# KiCad board panel.kicad_pcb (continued)
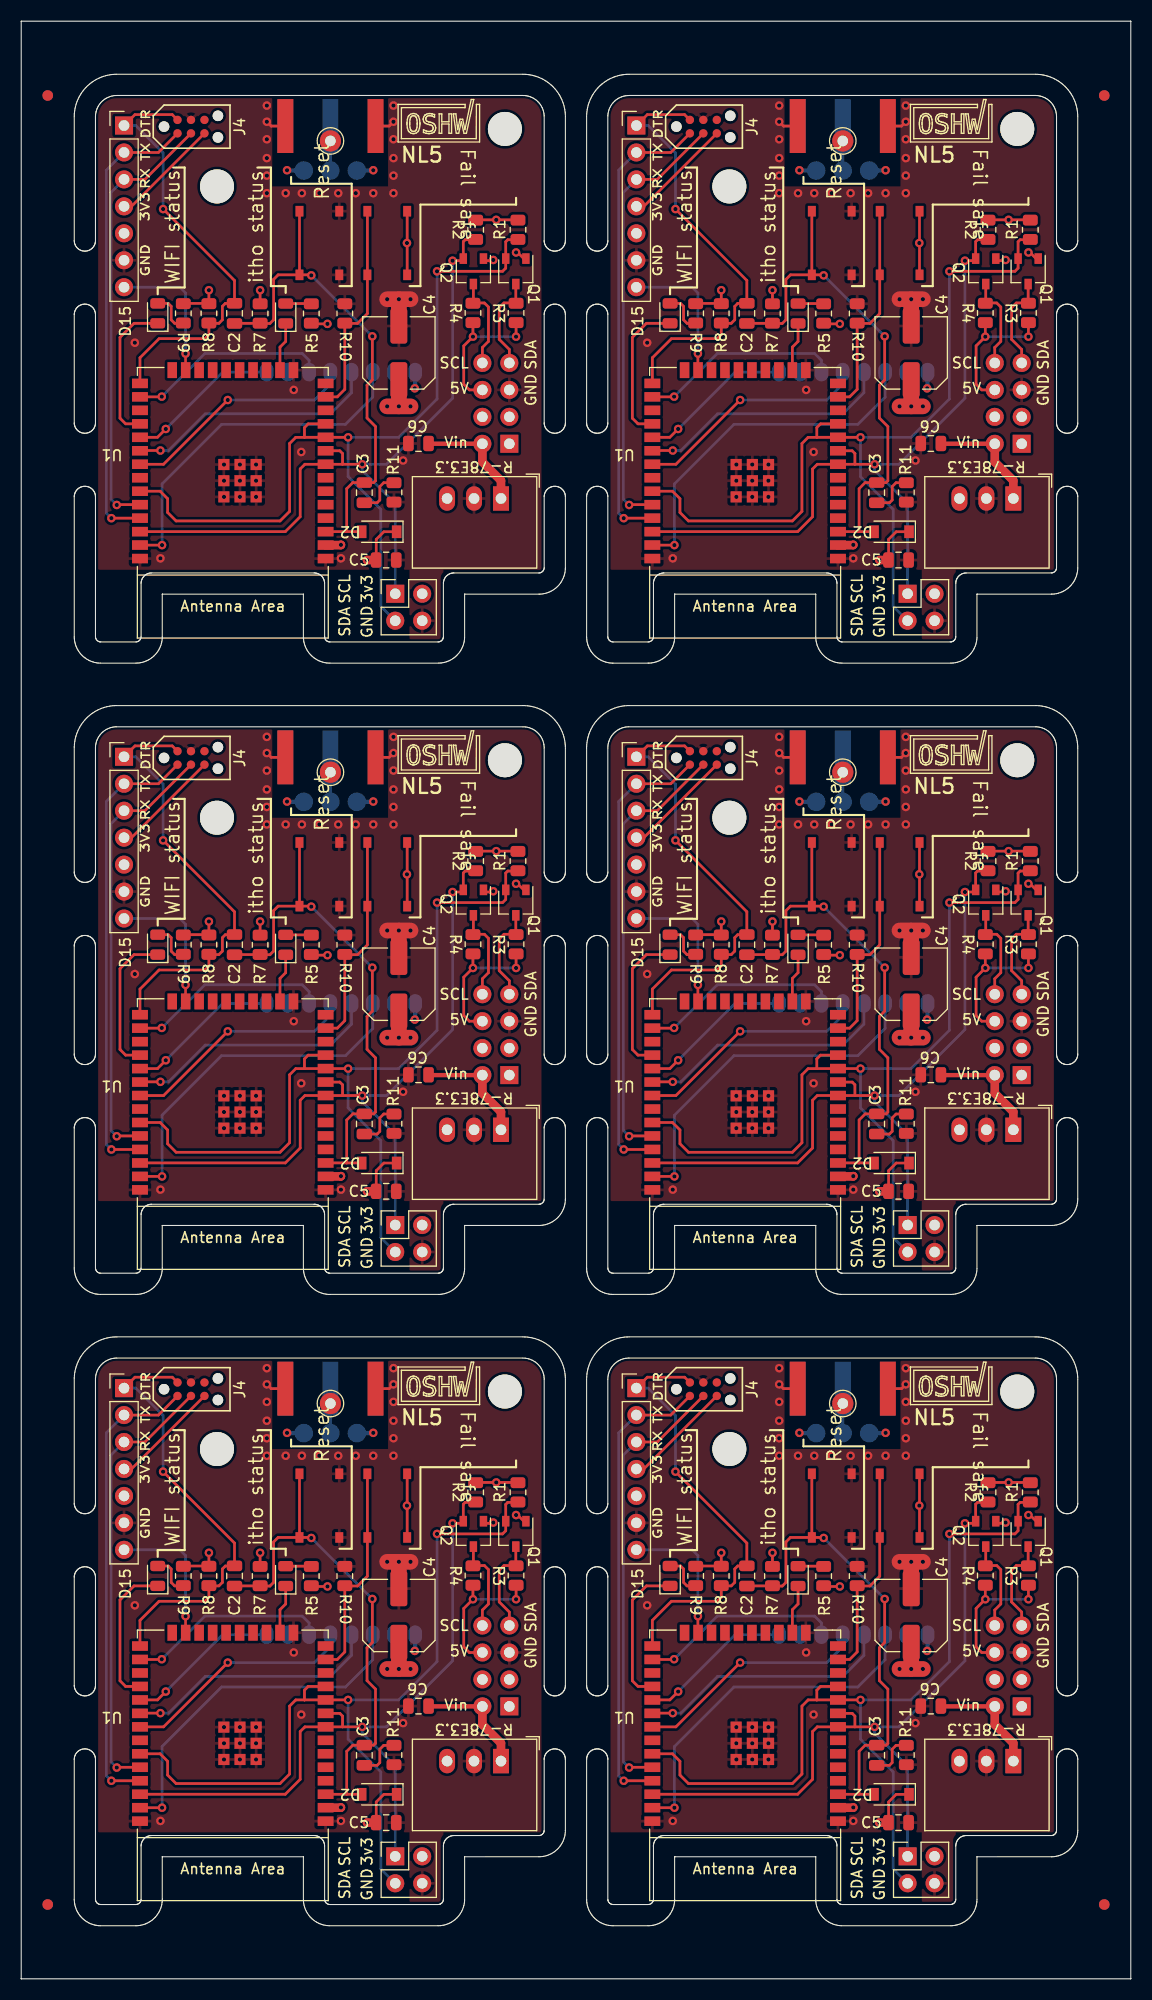
[diagram p0: board, top side]
## Routing (per net, layer and track width the routed paths; a pad name or vN(x,y) marks a point on that pad's centre or on a via; arc(x,y) is an arc through that point) (continued)
Board_4-+5V: length 13.5
  Top w0.254: 46.65,37.07 v1(46.65,35.77) ; 42.59,37.07 v1(42.59,35.77) 41.72,34.9 41.72,31.28 42.25,30.75 J2#5.6
  Bottom w0.254: v1(46.65,35.77) v1(42.59,35.77)
Board_4-+15V: length 11
  Top w0.406: C6#2.1 38.43,25.67 J2#5.2
  Top w0.813: J2#5.2 43.48,23.96 45.23,22.21 R-78E3.3#6.1
Board_4-D0: length 42.2
  Top w0.25: J1#3.1 10.72,56.7 14.24,56.7 J4#4.2
  Top w0.254: U1#4.25 11.2,33.78 13,35.58 17.31,35.58 17.69,35.96 17.69,37.03 18.64,37.03 18.96,37.36 18.96,38.63 19.24,38.9 20.11,38.9 20.11,41.07 v1(13.38,47.8)
  Bottom w0.254: v1(13.38,47.8) 13.38,53.09 10.8,55.67 J1#3.1
Board_4-D0/RX0: length 41.6
  Top w0.25: 15.93,54.86 11.66,50.59 J1#3.3
  Top w0.254: U1#4.34 9.03,19.93
  Bottom w0.25: J1#3.3 8.47,49.36 8.47,20.45 v1(9.01,19.91)
Board_4-D1/TX0: length 43.8
  Top w0.25: J1#3.2 12.93,53.13 J4#4.1
  Top w0.254: v1(8.5,18.66) 11.19,18.66 U1#4.35
  Bottom w0.25: J1#3.2 8.02,51.45 8.02,19.15 v1(8.5,18.66)
Board_4-D4_IRQ: length 19
  Top w0.254: v1(13.25,30.12) 13.23,30.09 U1#4.26
  Bottom w0.254: U2#2.6 27.14,33.54 26.49,34.18 17.31,34.18 v1(13.25,30.12)
Board_4-D5_SS: length 14.5
  Top w0.254: U1#4.29 12.84,26.28 v1(13.63,27.07)
  Bottom w0.254: U2#2.8 18.99,32.43 v1(13.63,27.07)
Board_4-D13: length 4.6
  Top w0.254: U1#4.16 24.4,34.79 24.93,35.32 LED2#6.1
Board_4-D15: length 13.3
  Top w0.25: U1#4.23 15.49,32.63 v1(15.49,34.17)
  Bottom w0.25: v1(15.49,34.17) 15.49,39.89 14.95,40.43 J1#3.7
Board_4-D17: length 13.8
  Top w0.254: U1#4.28 9.84,27.55 9.31,28.09 9.31,35.71 10.64,37.03 LED1#3.1
Board_4-D18_SCK: length 24.2
  Top w0.254: v1(13.12,25.04) 11.22,25.04 U1#4.30
  Bottom w0.254: U2#2.4 31.14,30.48 29.16,28.5 17.35,28.5 13.88,25.04 v1(13.12,25.04)
Board_4-D19_MISO: length 22
  Top w0.254: v1(19.47,29.8) 13.41,23.74 11.45,23.74
  Bottom w0.254: U2#2.5 29.14,31.3 27.64,29.8 v1(19.47,29.8)
Board_4-D23_MOSI: length 33.5
  Top w0.254: v1(13.28,16.12) 11.2,16.12 U1#4.37
  Bottom w0.254: U2#2.3 33.14,30.07 30.57,27.5 18.89,27.5 13.28,21.89 v1(13.28,16.12)
Board_4-GND: length 15.4
  Top w0.25: v1(23.16,56.03) 23.56,55.62 J3#5.2 ; v1(35.09,56.03) 34.69,55.62 J3#5.2
  Top w1.473: v1(36.7,39.3) v1(34.5,39.3) ; C4#2.2 v1(35.6,39.3)
  Bottom w0.25: J3#5.2 34.69,55.62 v1(35.09,56.03) ; J3#5.2 23.56,55.62 v1(23.16,56.03)
  Bottom w0.406: v1(25.06,51.45) 25.09,51.43 U2#2.9 ; U2#2.11 33.16,51.43 v1(33.19,51.45)
  vias: v1(10.71,35.2) v1(13.12,14.88) v1(19.12,23.72) v1(19.12,22.19) v1(19.12,20.67) v1(20.62,23.72) v1(20.62,22.19) v1(20.62,20.67) v1(22.14,23.72) v1(22.14,22.19) v1(22.14,20.67) v1(23.16,57.55) v1(23.16,54.38) v1(23.16,52.6) v1(23.16,50.95) v1(23.16,49.29) v1(24.93,49.29) v1(25.7,30.75) v1(26.4,24.9) v1(26.46,49.29) v1(28.11,49.29) v1(29.89,49.29) v1(30.14,14.88) v1(31.54,49.29) v1(33.19,49.29) v1(35.09,57.55) v1(35.09,54.38) v1(35.09,52.6) v1(35.09,50.95) v1(35.09,49.29) v1(36,24.1)
Board_4-Net-(C2-Pad1): length 50.2
  Top w0.25: 30.69,17.39 30.69,21.44 31.26,22.02 C3#4.2 33.23,22.02 33.4,22.19 33.4,27.3 ; 30.69,17.39 32.08,17.39 D2#4.2 ; 30.69,17.39 28.7,17.39 U1#4.3
  Top w0.254: 20.11,37.03 22.51,37.03 22.52,37.01 23.45,37.01 23.79,37.36 23.79,41.17 24.22,41.6 SW2#4.2 ; 33.4,27.3 32.6,28.1 32.6,31.2 33.1,31.7 v1(33.1,35.8) ; SW2#4.2 SW2#4.2 ; SW2#4.2 27.3,41.6 v1(27.35,41.55)
  Bottom w0.254: v1(33.1,35.8) 27.35,41.55 v1(27.35,41.55)
Board_4-Net-(C3-Pad1): length 4.3
  Top w0.25: R11#3.2 34.17,22 33.81,21.64 33.81,20.37 33.55,20.12 32.35,20.12
Board_4-Net-(H1-Pad1): length 4.2
  Bottom w0.293: J3#5.1 29.14,55.61 U2#2.10
Board_4-Net-(LED1-Pad2): length 3.9
  Top w0.254: LED1#3.2 13.86,38.9 14.14,38.63 14.14,37.36 14.47,37.03 15.28,37.03
Board_4-Net-(LED2-Pad2): length 2.4
  Top w0.254: LED2#6.2 27.35,38.89
Board_4-Net-(R10-Pad2): length 20.5
  Top w0.254: SW1#6.1 SW1#6.1 32.63,37.95 31.71,37.02 30.5,37.02 30.5,30.8 29.79,30.09 U1#4.13
Board_4-SCL: length 9.1
  Top w0.254: 42.63,40.93 42.63,38.99 42.59,38.94 43.67,38.94 44.05,38.56 44.05,35.32 43.48,34.75 J2#5.8
Board_4-SCL_L: length 70.3
  Top w0.254: 30.29,23.74 28.7,23.74 U1#4.8 26.74,23.74 26.3,23.3 26.3,18.8 24.89,17.39 11.45,17.39 ; 30.29,23.74 30.29,24.76 30.04,25.01 U1#4.9 ; 30.29,23.74 v1(32.14,23.74) ; v1(40.66,42.93) 41.68,42.93 41.68,44.73 41.85,44.91 42.84,44.91
  Bottom w0.254: v1(40.66,42.93) 40.66,29.97 34.44,23.74 v1(32.14,23.74) 32.14,23.16 35.26,20.04 J5#4.1
Board_4-SDA: length 9.4
  Top w0.254: 46.62,40.93 46.62,38.97 46.65,38.94 45.51,38.94 45.06,38.5 45.06,35.52 46.02,34.56 J2#5.7
Board_4-SDA_L: length 83
  Top w0.254: U1#4.11 27.05,27.55 26.7,27.2 26.7,26.28 ; 46.83,44.91 45.87,44.91 45.67,44.71 45.67,42.22 45.38,41.93 v1(39.2,41.93) ; U1#4.33 13.1,21.2 13.8,20.5 13.8,19.2 14.6,18.4 24.4,18.4 25.3,19.3 25.3,25.7 25.88,26.28 26.7,26.28 ; 26.7,26.28 26.7,26.28 30.82,26.28 v1(30.82,26.28)
  Bottom w0.254: v1(39.2,41.93) 39.2,29.9 35.58,26.28 v1(30.82,26.28) 30.82,22.58 33.9,19.5 33.9,10.36 J5#4.3
Board_5-+3V3: length 41.8
  Top w0.25: J4#3.5 58.69,48.05 J1.4 ; 81.77,14.72 81.77,16.66 82.49,17.38 D2#2.1
  Top w0.254: v1(94.95,43.71) 95.1,43.71 95.87,42.93 ; v1(65.99,40.15) 65.99,38.9 63.58,38.9 ; 91.14,46.78 v1(93.08,46.78) 95.13,46.78 ; v1(77.17,36.98) 75.69,36.98 75.65,37.01 ; v1(92.8,43) 92.73,42.93 91.88,42.93 ; 70.82,38.89 v1(70.82,40.15) ; SW1.2 SW1.2
  Top w0.813: 81.77,14.72 80.9,14.72 ; v1(78.44,16.15) 78.42,16.12 U1#3.2
  Top w1.473: v1(85,29.2) v1(82.8,29.2) ; C4#6.1 v1(83.9,29.2)
  Bottom w0.406: v1(85.4,30.9) 85.44,30.94 U2#4.1
  vias: v1(80.9,14.72) v1(84.66,44.6)
Board_5-+5V: length 13.5
  Top w0.254: 94.95,37.07 v1(94.95,35.77) ; 90.89,37.07 v1(90.89,35.77) 90.02,34.9 90.02,31.28 90.55,30.75 91.78,30.75
  Bottom w0.254: v1(94.95,35.77) v1(90.89,35.77)
Board_5-+15V: length 11
  Top w0.406: C6#5.1 86.73,25.67 91.78,25.67
  Top w0.813: 91.78,25.67 91.78,23.96 93.53,22.21 R-78E3.3#4.1
Board_5-D0: length 42.2
  Top w0.25: J1.1 59.02,56.7 62.54,56.7 J4#3.2
  Top w0.254: U1#3.25 59.5,33.78 61.3,35.58 65.61,35.58 65.99,35.96 65.99,37.03 66.94,37.03 67.26,37.36 67.26,38.63 67.54,38.9 68.41,38.9 68.41,41.07 v1(61.68,47.8)
  Bottom w0.254: v1(61.68,47.8) 61.68,53.09 59.1,55.67 J1.1
Board_5-D0/RX0: length 41.6
  Top w0.25: 64.23,54.86 59.96,50.59 J1.3
  Top w0.254: U1#3.34 57.33,19.93
  Bottom w0.25: J1.3 56.77,49.36 56.77,20.45 v1(57.31,19.91)
Board_5-D1/TX0: length 43.8
  Top w0.25: J1.2 61.23,53.13 J4#3.1
  Top w0.254: v1(56.8,18.66) 59.49,18.66 U1#3.35
  Bottom w0.25: J1.2 56.32,51.45 56.32,19.15 v1(56.8,18.66)
Board_5-D4_IRQ: length 19
  Top w0.254: v1(61.55,30.12) 61.53,30.09 U1#3.26
  Bottom w0.254: U2#4.6 75.44,33.54 74.79,34.18 65.61,34.18 v1(61.55,30.12)
Board_5-D5_SS: length 14.5
  Top w0.254: U1#3.29 61.14,26.28 v1(61.93,27.07)
  Bottom w0.254: U2#4.8 67.29,32.43 v1(61.93,27.07)
Board_5-D13: length 4.6
  Top w0.254: U1#3.16 72.7,34.79 73.23,35.32 LED2.1
Board_5-D15: length 13.3
  Top w0.25: U1#3.23 63.79,32.63 v1(63.79,34.17)
  Bottom w0.25: v1(63.79,34.17) 63.79,39.89 63.25,40.43 J1.7
Board_5-D17: length 13.8
  Top w0.254: U1#3.28 58.14,27.55 57.61,28.09 57.61,35.71 58.94,37.03 LED1#4.1
Board_5-D18_SCK: length 24.2
  Top w0.254: v1(61.42,25.04) 59.52,25.04 U1#3.30
  Bottom w0.254: U2#4.4 79.44,30.48 77.46,28.5 65.65,28.5 62.18,25.04 v1(61.42,25.04)
Board_5-D19_MISO: length 22
  Top w0.254: v1(67.77,29.8) 61.71,23.74 59.75,23.74
  Bottom w0.254: U2#4.5 77.44,31.3 75.94,29.8 v1(67.77,29.8)
Board_5-D23_MOSI: length 33.5
  Top w0.254: v1(61.58,16.12) 59.5,16.12 U1#3.37
  Bottom w0.254: U2#4.3 81.44,30.07 78.87,27.5 67.19,27.5 61.58,21.89 v1(61.58,16.12)
Board_5-GND: length 15.4
  Top w0.25: v1(71.45,56.03) 71.86,55.62 J3#3.2 ; v1(83.39,56.03) 82.99,55.62 J3#3.2
  Top w1.473: v1(85,39.3) v1(82.8,39.3) ; C4#6.2 v1(83.9,39.3)
  Bottom w0.25: J3#3.2 82.99,55.62 v1(83.39,56.03) ; J3#3.2 71.86,55.62 v1(71.45,56.03)
  Bottom w0.406: v1(73.36,51.45) 73.39,51.43 U2#4.9 ; U2#4.11 81.46,51.43 v1(81.49,51.45)
  vias: v1(59.01,35.2) v1(61.42,14.88) v1(67.42,23.72) v1(67.42,22.19) v1(67.42,20.67) v1(68.92,23.72) v1(68.92,22.19) v1(68.92,20.67) v1(70.44,23.72) v1(70.44,22.19) v1(70.44,20.67) v1(71.45,57.55) v1(71.45,54.38) v1(71.45,52.6) v1(71.45,50.95) v1(71.45,49.29) v1(73.23,49.29) v1(74,30.75) v1(74.7,24.9) v1(74.76,49.29) v1(76.41,49.29) v1(78.19,49.29) v1(78.44,14.88) v1(79.84,49.29) v1(81.49,49.29) v1(83.39,57.55) v1(83.39,54.38) v1(83.39,52.6) v1(83.39,50.95) v1(83.39,49.29) v1(84.3,24.1)
Board_5-Net-(C2-Pad1): length 50.2
  Top w0.25: 78.99,17.39 78.99,21.44 79.56,22.02 C3.2 81.53,22.02 81.7,22.19 81.7,27.3 ; 78.99,17.39 80.38,17.39 D2#2.2 ; 78.99,17.39 77,17.39 U1#3.3
  Top w0.254: 68.41,37.03 70.81,37.03 70.82,37.01 71.75,37.01 72.09,37.36 72.09,41.17 72.52,41.6 SW2#2.2 ; 81.7,27.3 80.9,28.1 80.9,31.2 81.4,31.7 v1(81.4,35.8) ; SW2#2.2 SW2#2.2 ; SW2#2.2 75.6,41.6 v1(75.65,41.55)
  Bottom w0.254: v1(81.4,35.8) 75.65,41.55 v1(75.65,41.55)
Board_5-Net-(C3-Pad1): length 4.3
  Top w0.25: R11#6.2 82.47,22 82.11,21.64 82.11,20.37 81.85,20.12 80.65,20.12
Board_5-Net-(H1-Pad1): length 4.2
  Bottom w0.293: J3#3.1 77.44,55.61 U2#4.10
Board_5-Net-(LED1-Pad2): length 3.9
  Top w0.254: LED1#4.2 62.16,38.9 62.44,38.63 62.44,37.36 62.77,37.03 63.58,37.03
Board_5-Net-(LED2-Pad2): length 2.4
  Top w0.254: LED2.2 75.65,38.89
Board_5-Net-(R10-Pad2): length 20.5
  Top w0.254: SW1.1 SW1.1 80.93,37.95 80.01,37.02 78.8,37.02 78.8,30.8 78.09,30.09 U1#3.13
Board_5-SCL: length 9.1
  Top w0.254: 90.93,40.93 90.93,38.99 90.89,38.94 91.97,38.94 92.35,38.56 92.35,35.32 91.78,34.75 91.78,33.29
Board_5-SCL_L: length 70.3
  Top w0.254: 78.59,23.74 77,23.74 U1#3.8 75.04,23.74 74.6,23.3 74.6,18.8 73.19,17.39 59.75,17.39 ; 78.59,23.74 78.59,24.76 78.34,25.01 U1#3.9 ; 78.59,23.74 v1(80.44,23.74) ; v1(88.97,42.93) 89.98,42.93 89.98,44.73 90.15,44.91 91.14,44.91
  Bottom w0.254: v1(88.97,42.93) 88.97,29.97 82.74,23.74 v1(80.44,23.74) 80.44,23.16 83.56,20.04 J5.1
Board_5-SDA: length 9.4
  Top w0.254: 94.92,40.93 94.92,38.97 94.95,38.94 93.81,38.94 93.36,38.5 93.36,35.52 94.31,34.56 J2#2.7
Board_5-SDA_L: length 83
  Top w0.254: U1#3.11 75.35,27.55 75,27.2 75,26.28 ; 95.13,44.91 94.17,44.91 93.97,44.71 93.97,42.22 93.68,41.93 v1(87.5,41.93) ; U1#3.33 61.4,21.2 62.1,20.5 62.1,19.2 62.9,18.4 72.7,18.4 73.6,19.3 73.6,25.7 74.18,26.28 75,26.28 ; 75,26.28 75,26.28 79.12,26.28 v1(79.12,26.28)
  Bottom w0.254: v1(87.5,41.93) 87.5,29.9 83.88,26.28 v1(79.12,26.28) 79.12,22.58 82.2,19.5 82.2,10.36 J5.3

## Copper pours and planes (outline as drawn; the poured copper is in the pictures)
Board_0-+3V3 on In1.Cu: 49.32,167.53 7.03,167.53 7,132.8 36.6,132.8 36.6,126 39.8,126 39.8,132.8 49.3,132.8
Board_0-GND on Top: 49.32,177.44 34.59,177.44 34.59,168.93 23.66,168.93 23.66,177.31 7.03,177.31 7,132.8 36.6,132.8 36.6,126 39.8,126 39.8,132.8 49.3,132.8
Board_0-GND on Bottom: 49.32,177.44 34.59,177.44 34.59,168.93 23.66,168.93 23.66,177.31 7.03,177.31 7,132.8 36.6,132.8 36.6,126 39.8,126 39.8,132.8 49.3,132.8
Board_0-GND on In2.Cu: 49.32,177.44 7.03,177.31 7,132.8 36.6,132.8 36.6,126 39.8,126 39.8,132.8 49.3,132.8
Board_1-+3V3 on In1.Cu: 97.62,167.53 55.33,167.53 55.3,132.8 84.9,132.8 84.9,126 88.1,126 88.1,132.8 97.6,132.8
Board_1-GND on Top: 97.62,177.44 82.89,177.44 82.89,168.93 71.96,168.93 71.96,177.31 55.33,177.31 55.3,132.8 84.9,132.8 84.9,126 88.1,126 88.1,132.8 97.6,132.8
Board_1-GND on Bottom: 97.62,177.44 82.89,177.44 82.89,168.93 71.96,168.93 71.96,177.31 55.33,177.31 55.3,132.8 84.9,132.8 84.9,126 88.1,126 88.1,132.8 97.6,132.8
Board_1-GND on In2.Cu: 97.62,177.44 55.33,177.31 55.3,132.8 84.9,132.8 84.9,126 88.1,126 88.1,132.8 97.6,132.8
Board_2-+3V3 on In1.Cu: 49.32,108.03 7.03,108.03 7,73.3 36.6,73.3 36.6,66.5 39.8,66.5 39.8,73.3 49.3,73.3
Board_2-GND on Top: 49.32,117.94 34.59,117.94 34.59,109.43 23.66,109.43 23.66,117.81 7.03,117.81 7,73.3 36.6,73.3 36.6,66.5 39.8,66.5 39.8,73.3 49.3,73.3
Board_2-GND on Bottom: 49.32,117.94 34.59,117.94 34.59,109.43 23.66,109.43 23.66,117.81 7.03,117.81 7,73.3 36.6,73.3 36.6,66.5 39.8,66.5 39.8,73.3 49.3,73.3
Board_2-GND on In2.Cu: 49.32,117.94 7.03,117.81 7,73.3 36.6,73.3 36.6,66.5 39.8,66.5 39.8,73.3 49.3,73.3
Board_3-+3V3 on In1.Cu: 97.62,108.03 55.33,108.03 55.3,73.3 84.9,73.3 84.9,66.5 88.1,66.5 88.1,73.3 97.6,73.3
Board_3-GND on Top: 97.62,117.94 82.89,117.94 82.89,109.43 71.96,109.43 71.96,117.81 55.33,117.81 55.3,73.3 84.9,73.3 84.9,66.5 88.1,66.5 88.1,73.3 97.6,73.3
Board_3-GND on Bottom: 97.62,117.94 82.89,117.94 82.89,109.43 71.96,109.43 71.96,117.81 55.33,117.81 55.3,73.3 84.9,73.3 84.9,66.5 88.1,66.5 88.1,73.3 97.6,73.3
Board_3-GND on In2.Cu: 97.62,117.94 55.33,117.81 55.3,73.3 84.9,73.3 84.9,66.5 88.1,66.5 88.1,73.3 97.6,73.3
Board_4-+3V3 on In1.Cu: 49.32,48.53 7.03,48.53 7,13.8 36.6,13.8 36.6,7 39.8,7 39.8,13.8 49.3,13.8
Board_4-GND on Top: 49.32,58.44 34.59,58.44 34.59,49.93 23.66,49.93 23.66,58.31 7.03,58.31 7,13.8 36.6,13.8 36.6,7 39.8,7 39.8,13.8 49.3,13.8
Board_4-GND on Bottom: 49.32,58.44 34.59,58.44 34.59,49.93 23.66,49.93 23.66,58.31 7.03,58.31 7,13.8 36.6,13.8 36.6,7 39.8,7 39.8,13.8 49.3,13.8
Board_4-GND on In2.Cu: 49.32,58.44 7.03,58.31 7,13.8 36.6,13.8 36.6,7 39.8,7 39.8,13.8 49.3,13.8
Board_5-+3V3 on In1.Cu: 97.62,48.53 55.33,48.53 55.3,13.8 84.9,13.8 84.9,7 88.1,7 88.1,13.8 97.6,13.8
Board_5-GND on Top: 97.62,58.44 82.89,58.44 82.89,49.93 71.96,49.93 71.96,58.31 55.33,58.31 55.3,13.8 84.9,13.8 84.9,7 88.1,7 88.1,13.8 97.6,13.8
Board_5-GND on Bottom: 97.62,58.44 82.89,58.44 82.89,49.93 71.96,49.93 71.96,58.31 55.33,58.31 55.3,13.8 84.9,13.8 84.9,7 88.1,7 88.1,13.8 97.6,13.8
Board_5-GND on In2.Cu: 97.62,58.44 55.33,58.31 55.3,13.8 84.9,13.8 84.9,7 88.1,7 88.1,13.8 97.6,13.8

## Text on the board
B.Silkscreen: Itho CVE WiFi Controller / Arjen Hiemstra - GNU GPL 3.0 / https://github.com/arjenhiemstra/ithowifi | HW rev.: 2 / Batch: 17-2622
User.Comments: V-CUT
F.Silkscreen: 3V3 | RX | GND | TX | DTR | SCL | Vin | 5V | D15 | SDA | 3v3 | NL5
